# Altium PCB as14120_all_1.PcbDoc (part 1 of 2) (continued)
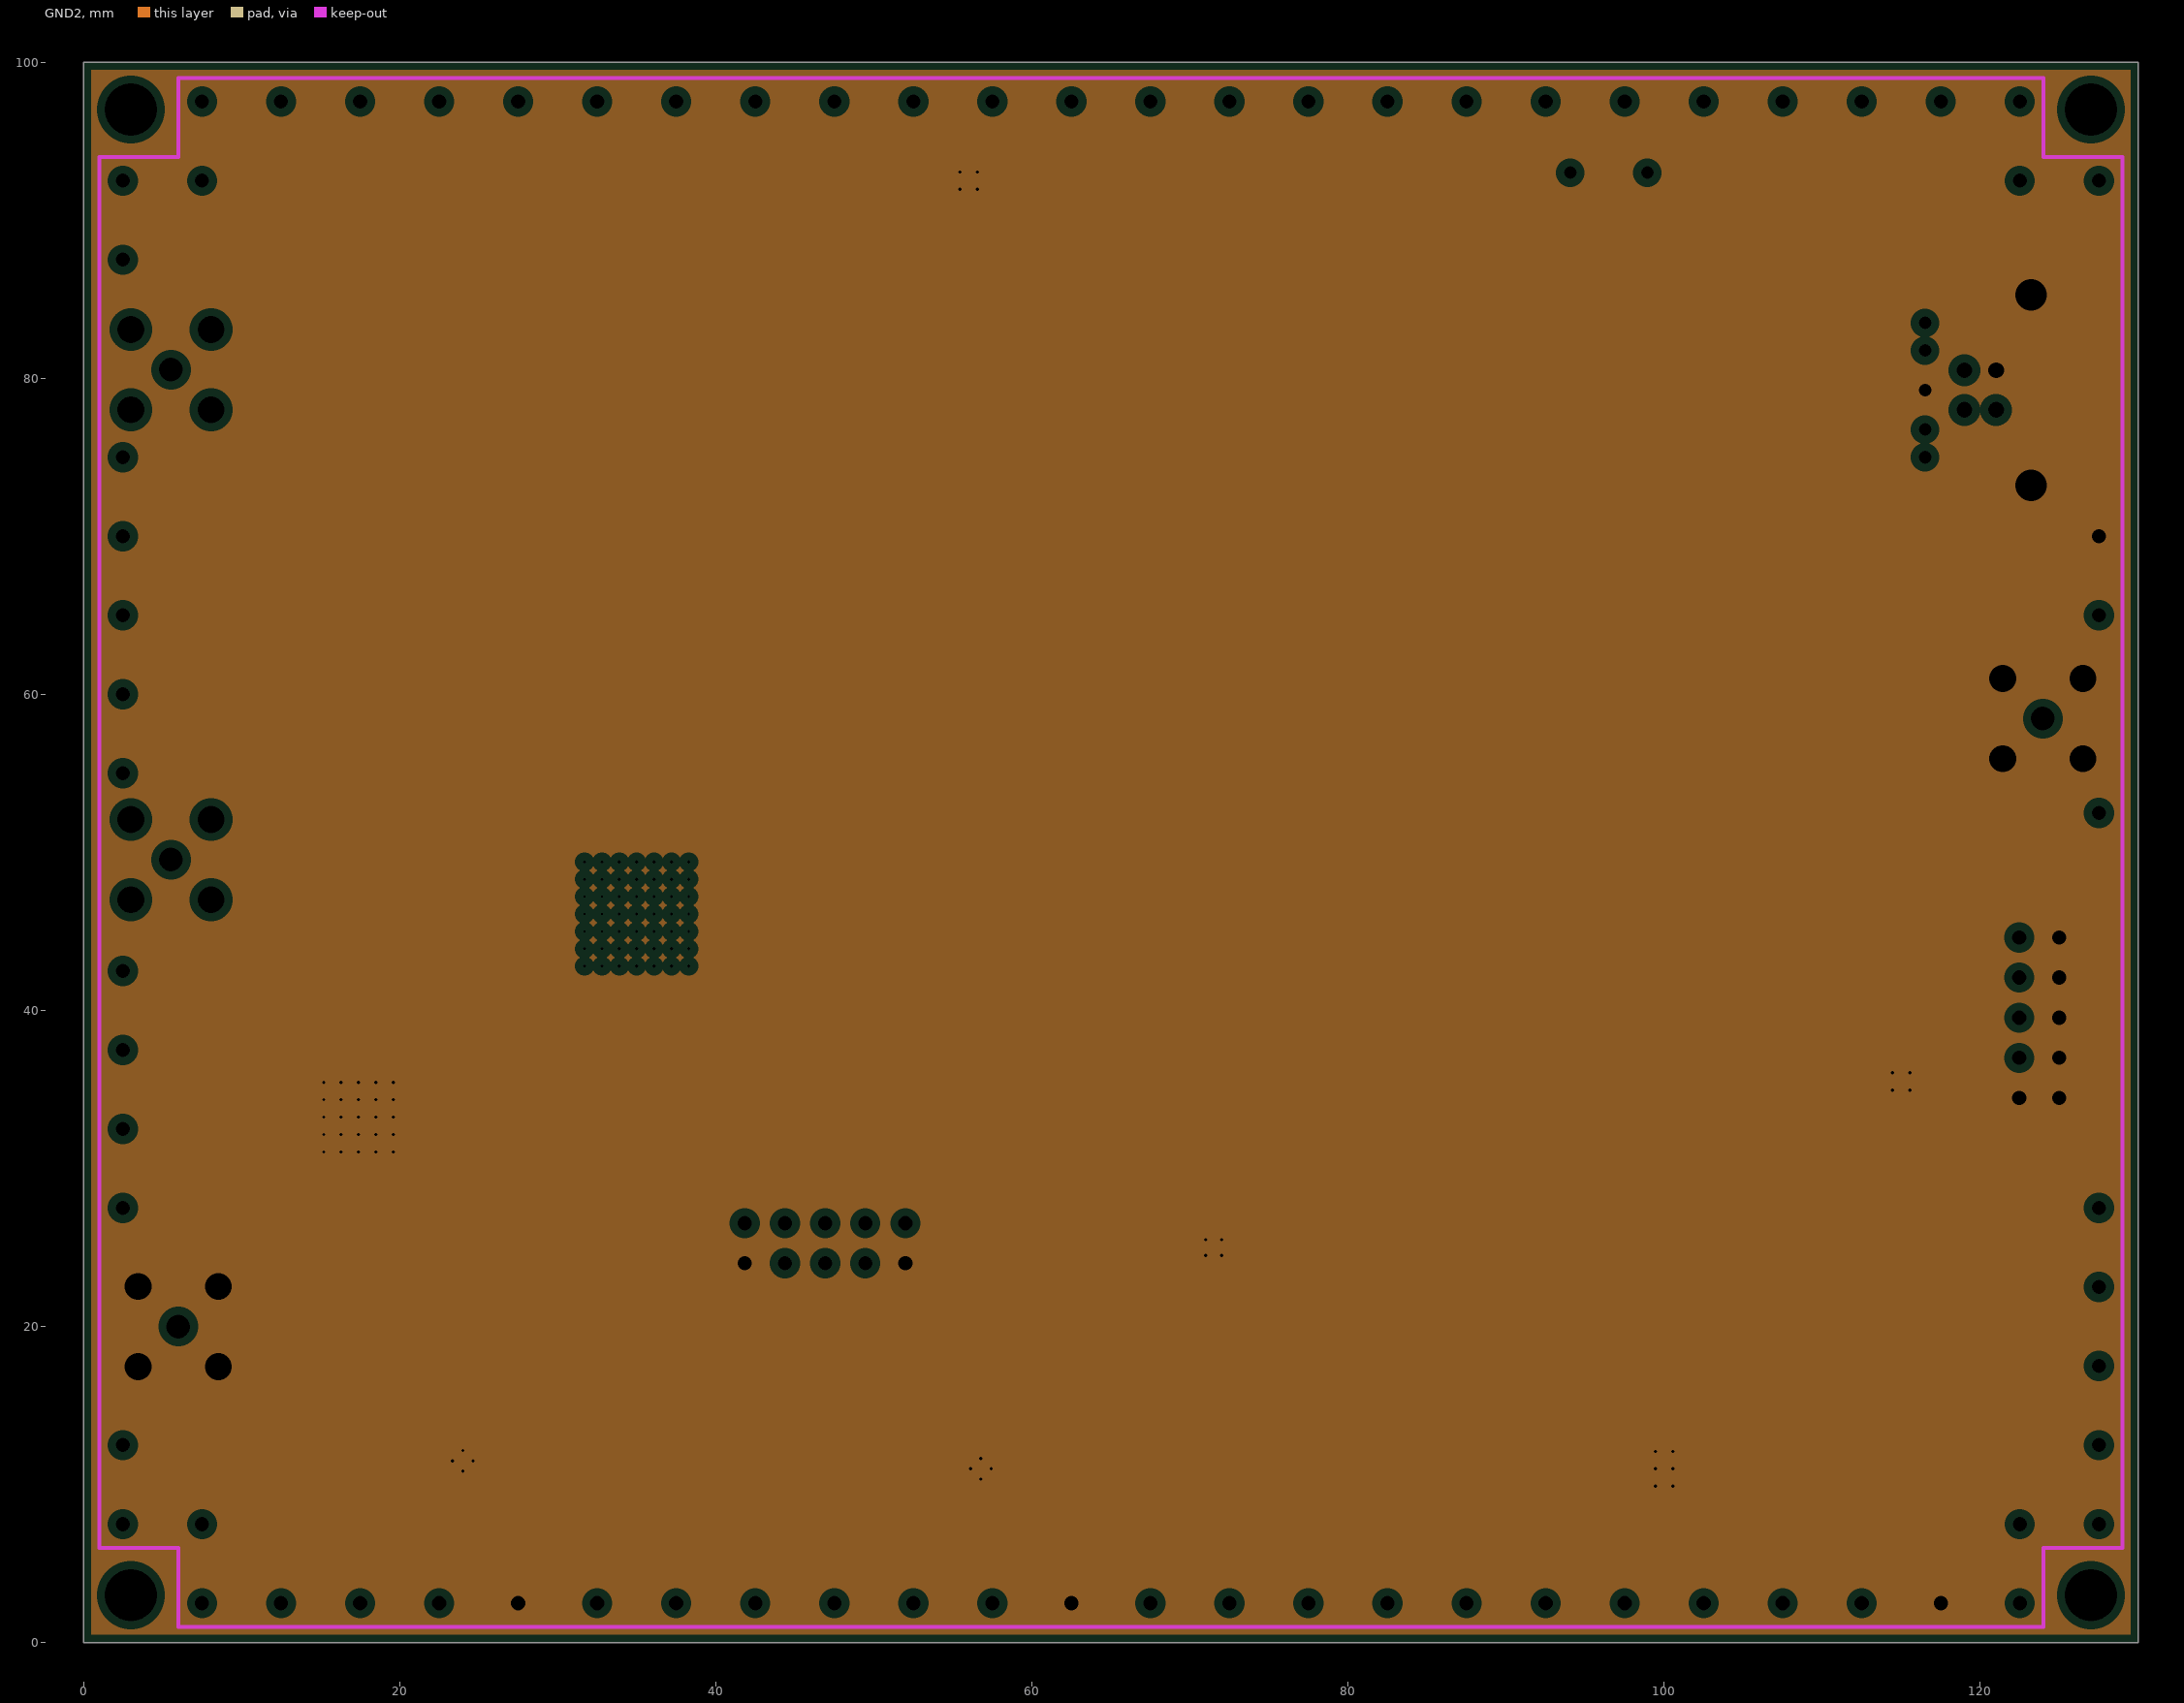
[diagram p3: GND2, clearances drawn from the general rule]

## Layer stack, top to bottom
Top Layer: signal copper 0.0356
Dielectric: prepreg 0.1, FR-4, Dk 4.8
GND1: plane copper 0.035, net 0V
Dielectric: core 0.2, FR-4, Dk 4.8
Signal_Power: signal copper 0.0356
Dielectric: prepreg 0.15, FR-4, Dk 4.8
Signal_midle: signal copper 0.0356
Dielectric: core 0.2, FR-4, Dk 4.4
GND2: plane copper 0.0356, net 0V
Dielectric: prepreg 0.1, FR-4, Dk 4.8
Bottom Layer: signal copper 0.0356

## Board outline
0,0 0,100 130,100 130,0

## Design rules (kind name [scope] priority, off if disabled: settings)
Clearance [InComponentClass('BGA')] p1: gap=0.1
Clearance Clearance_all [All] p2: gap=0.1
Clearance Clearance_0p1 [HasFootprint('ALTR-672-FBGA-2000A') vs (InComponentClass('All Components'))] p3: gap=0.1
DiffPairsRouting DiffPair_DiffPairsRouting [InDifferentialPair ('SS_TX')] p1: maxlimit=0.254 minlimit=0.254 mostfreqgap=0.254 maxuncoupledlength=12.7
DiffPairsRouting [All] p2: maxlimit=0.254 minlimit=0.254 mostfreqgap=0.254 maxuncoupledlength=12.7
FanoutControl Fanout_BGA [(InComponentClass('BGA'))] p1: bgadir=Out bgaviamode=Centered fanoutstyle=BGA fanoutdirection=Alternating viagrid=0.025 // Fanout_BGA (Default Rule)
FanoutControl Fanout_LCC [IsLCC] p2: bgadir=Out bgaviamode=Centered fanoutstyle=Auto fanoutdirection=OutOnly viagrid=0.025 // Fanout_LCC (Default Rule)
FanoutControl Fanout_Small [(CompPinCount < 5)] p4: bgadir=Out bgaviamode=Centered fanoutstyle=Auto fanoutdirection=OutOnly viagrid=0.025 // Fanout_Small (Default Rule)
HoleToHoleClearance [All] p1: gap=0.127 allowstackedmicrovias=TRUE
MatchedLengths DiffPair_MatchedLengths [InDifferentialPair ('SS_TX')] p1: tolerance=0.5 checknetsindiffpair=TRUE checkdiffpairvsdiffpair=TRUE checkothers=TRUE
MinimumAnnularRing [All] p1: minimumring=0.15
MinimumSolderMaskSliver [All] p1: minsoldermaskwidth=0.1
PlaneClearance [All] p1: clearance=0.508
PlaneConnect [All] p1: planeconnectstyle=Relief reliefexpansion=0.508 reliefentries=4 reliefconductorwidth=0.254 reliefairgap=0.254
PolygonConnect [All] p1: connectstyle=Relief reliefconductorwidth=0.254 reliefentries=4 polygonreliefangle="90 Angle" airgapwidth=0.254
RoomDefinition as14120_fpga_ttl [InComponentClass('as14120_fpga_ttl')] p1: confinementstyle=ConfineIn formatcopy=TRUE lockcomponents=FALSE outline -47,-45 3.8,-45 3.8,-19.6 -47,-19.6
RoomDefinition as14120_usb [InComponentClass('as14120_usb')] p2: confinementstyle=ConfineOut formatcopy=TRUE lockcomponents=FALSE outline 131,131 564,131 564,154 131,154
RoomDefinition as14120_fpga_power_conf [InComponentClass('as14120_fpga_power_conf')] p3: confinementstyle=ConfineOut formatcopy=TRUE lockcomponents=FALSE outline 131,50 760,50 760,75 131,75
RoomDefinition as14120_fpga_ddr [InComponentClass('as14120_fpga_ddr')] p4: confinementstyle=ConfineIn formatcopy=TRUE lockcomponents=FALSE outline 131,44 136,44 136,49 131,49
RoomDefinition as14120_ddr [InComponentClass('as14120_ddr')] p5: confinementstyle=ConfineOut formatcopy=TRUE lockcomponents=FALSE outline 130,109 568,109 568,128 130,128
RoutingVias [All] p1: holewidth=0.2 width=0.55 viastyle="Through Hole" minholewidth=0.15 minwidth=0.45 maxholewidth=0.25 maxwidth=0.5
SilkToSilkClearance [All] p1: silktosilkclearance=0.1
SilkToSolderMaskClearance [IsPad] p1: minsilkscreentomaskgap=0.2 clearancetoexposedcopper=TRUE
SolderMaskExpansion SolderMaskExpansion_bga [InComponentClass('bga')] p1: expansion=0
SolderMaskExpansion SolderMaskExpansion_via [IsVia] p2: expansion=-1
SolderMaskExpansion [All] p3: expansion=0.07
UnConnectedPin [All] p1:
Width DiffPair_Width [InDifferentialPair('SS_TX')] p1: maxlimit=0.1 minlimit=0.1 preferedwidth=0.1
Width [All] p2: maxlimit=0.2 minlimit=0.13 preferedwidth=0.15
Width Width_bga [InComponentClass('bga')] p3: maxlimit=0.2 minlimit=0.15 preferedwidth=0.2
18 further rules are at their usual default settings.

## Classes and differential pairs
component class as14120_fpga_ttl: D5 D10 R65 R66 R67 R68 R69 R70 X5
component class as14120_fpga_power_conf: C120 C121 C122 C123 C124 C125 C126 C127 C128 C129 C130 C131 C132 C133 C134 C135 C136 C137 C138 C139 C140 C141 C142 C143 C144 C145 C146 C147 C148 C149 C150 C151 C152 C153 C154 C155 C156 C157 C158 C159 C160 C161 C162 C163 C164 C165 C166 C167 C168 C169 C170 C171 C172 C173 C174 C175 C176 C177 C178 C179 C180 C181 C182 C183 C184 C185 C186 C187 C188 C189 C190 C191 C192 C193 C194 C195 C196 L10 L11 L12 L13 R72 R73 R74 R75 R76 R77 R78 R79 R80 X6
component class as14120_fpga_ddr: R71
component class as14120_power: C197 C198 C199 C200 C201 C202 C203 C204 C205 C206 C207 C208 C209 C210 C211 C212 C213 C214 C215 C216 C217 C218 C219 C220 C221 C222 C223 C224 C225 C226 C227 C228 C229 C230 C231 C232 D11 D12 D13 D14 L14 L15 L16 L17 R81 R82 R83 R84 R85 R86 R87 R88 R89 R90 R91 R92 R93 R94 R95 R96 R97 VD2 X7
component class as14120_ddr: C68 C69 C70 C71 C72 C73 C74 C75 C76 C77 C78 C79 C80 C81 C82 C83 C84 C85 C86 C87 C88 C89 C90 C91 C92 C93 C94 C95 C96 C97 C98 C99 C100 C101 C102 C103 C104 C105 C106 C107 C108 C109 C110 C111 C112 C113 C114 C115 C116 C117 C118 C119 D7 D8 D9 L8 L9 R52 R53 R54 R55 R56 R57 R58 R59 R60 R61 R62 R63 R64
component class as14120_adc: C37 C38 C39 C40 C41 C42 C43 C44 C45 C46 C47 C48 C49 C50 C51 C52 C53 C54 C55 C56 C57 C58 C59 C60 C61 C62 C63 C64 C65 C66 C67 D4 D6 L4 L5 L6 L7 R31 R32 R33 R34 R35 R36 R37 R38 R39 R40 R41 R42 R43 R44 R45 R46 R47 R48 R49 R50 R51 T1 T2 VD1 VG2 X2 X3 X4
component class as14120_usb: C1 C2 C3 C4 C5 C6 C7 C8 C9 C10 C11 C13 C14 C15 C16 C17 C18 C19 C20 C21 C22 C23 C24 C25 C26 C27 C28 C29 C30 C31 C32 C33 C34 C35 C36 D1 D2 D3 L1 L2 L3 R1 R2 R3 R4 R5 R6 R7 R8 R9 R10 R11 R12 R13 R14 R15 R16 R17 R18 R19 R20 R21 R22 R23 R24 R25 R26 R27 R28 R29 R30 VG1 X1 ZQ1 ZQ?
differential pair class super_speed: SS_RX
differential pair class usb2: USB

## Components (designator, comment, footprint, x,y, rotation, side; value= is the part's Value field where it differs from the comment)
C1 "CAP 1uF 10V 0402(1005)" CAPC0402(1005)60_M 116.5,89.5 r180 bottom
C2 "CAP 1uF 10V 0402(1005)" CAPC0402(1005)60_M 113.5,75 r0 top
C3 "CAP 1uF 10V 0402(1005)" CAPC0402(1005)60_M 113.5,76.5 r0 top
C4 "CAP_0805" CAPC0805(2012)100_N 101,93.5 r270 bottom
C5 "CAP_0805" CAPC0805(2012)100_N 92,93.5 r270 bottom
C6 "CAP_0805" CAPC0805(2012)100_N 219,142.5 r0 top
C7 "CAP_0805" CAPC0805(2012)100_N 105.5,105 r0 top
C8 "CAP 1uF 10V 0402(1005)" CAPC0402(1005)60_M 105.5,85 r270 top
C9 "CAP 1uF 10V 0402(1005)" CAPC0402(1005)60_M 105.5,103.5 r0 top
C10 "CAP_0805" CAPC0805(2012)100_N 99,105 r0 top
C11 "CAP 1uF 10V 0402(1005)" CAPC0402(1005)60_M 99,103.5 r0 top
C12 "CAP_0805" CAPC0805(2012)100_N 92.4,105.5 r0 top
C13 "CAP 1uF 10V 0402(1005)" CAPC0402(1005)60_M 220,150 r0 top
C14 "CAP 1uF 10V 0402(1005)" CAPC0402(1005)60_M 226,150 r0 top
C15 "CAP 1uF 10V 0402(1005)" CAPC0402(1005)60_M 231,150 r0 top
C16 "CAP 1uF 10V 0402(1005)" CAPC0402(1005)60_M 237,150 r0 top
C17 "CAP 1uF 10V 0402(1005)" CAPC0402(1005)60_M 243,150 r0 top
C18 "CAP 1uF 10V 0402(1005)" CAPC0402(1005)60_M 248,150 r0 top
C19 "CAP 1uF 10V 0402(1005)" CAPC0402(1005)60_M 254,150 r0 top
C20 "CAP 1uF 10V 0402(1005)" CAPC0402(1005)60_M 259,149 r90 top
C21 "CAP 1uF 10V 0402(1005)" CAPC0402(1005)60_M 265,150 r0 top
C22 "CAP 1uF 10V 0402(1005)" CAPC0402(1005)60_M 270,149 r90 top
C23 "CAP 1uF 10V 0402(1005)" CAPC0402(1005)60_M 92.5,104 r0 top
C24 "CAP 1uF 10V 0402(1005)" CAPC0402(1005)60_M 133,149 r90 top
C25 "CAP 1uF 10V 0402(1005)" CAPC0402(1005)60_M 139,149 r90 top
C26 "CAP 1uF 10V 0402(1005)" CAPC0402(1005)60_M 144,149 r90 top
C27 "CAP 1uF 10V 0402(1005)" CAPC0402(1005)60_M 150,149 r90 top
C28 "CAP 1uF 10V 0402(1005)" CAPC0402(1005)60_M 156,149 r90 top
C29 "CAP 1uF 10V 0402(1005)" CAPC0402(1005)60_M 162,149 r90 top
C30 "CAP 1uF 10V 0402(1005)" CAPC0402(1005)60_M 168,149 r90 top
C31 "CAP 1uF 10V 0402(1005)" CAPC0402(1005)60_M 174,150 r0 top
C32 "CAP 1uF 10V 0402(1005)" CAPC0402(1005)60_M 179,149 r90 top
C33 "CAP 1uF 10V 0402(1005)" CAPC0402(1005)60_M 185,149 r90 top
C34 "CAP 1uF 10V 0402(1005)" CAPC0402(1005)60_M 191,149 r90 top
C35 "CAP 1uF 10V 0402(1005)" CAPC0402(1005)60_M 196,149 r90 top
C36 "CAP 1uF 10V 0402(1005)" CAPC0402(1005)60_M 202,149 r90 top
C37 "CAP 1uF 10V 0402(1005)" CAPC0402(1005)60_M 5.5,86 r270 bottom
C38 "CAP_0805" CAPC0805(2012)100_N 21.6,73.5 r0 top
C39 "CAP_0805" CAPC0805(2012)100_N 22,79.5 r0 top
C40 "CAP 1uF 10V 0402(1005)" CAPC0402(1005)60_M 18,66.5 r90 bottom
C41 "CAP 1uF 10V 0402(1005)" CAPC0402(1005)60_M 25.55,46.85 r270 top
C42 "CAP 1uF 10V 0402(1005)" CAPC0402(1005)60_M 26.55,46.85 r270 top
C43 "CAP 1uF 10V 0402(1005)" CAPC0402(1005)60_M 30.05,39.35 r90 top
C44 "CAP 1uF 10V 0402(1005)" CAPC0402(1005)60_M 31.05,39.35 r90 top
C45 "CAP 1uF 10V 0402(1005)" CAPC0402(1005)60_M 10,50 r90 top
C46 "CAP_0805" CAPC0805(2012)100_N 16,63.5 r180 top
C47 "CAP_0805" CAPC0805(2012)100_N 16,58.5 r180 top
C48 "CAP 1uF 10V 0402(1005)" CAPC0402(1005)60_M 38.55,41.35 r90 bottom
C49 "CAP 1uF 10V 0402(1005)" CAPC0402(1005)60_M 37.05,50.35 r90 bottom
C50 "CAP 1uF 10V 0402(1005)" CAPC0402(1005)60_M 34.55,50.35 r90 bottom
C51 "CAP 1uF 10V 0402(1005)" CAPC0402(1005)60_M 35.05,41.45 r90 bottom
C52 "CAP 1uF 10V 0402(1005)" CAPC0402(1005)60_M 30.55,43.85 r180 bottom
C53 "CAP 1uF 10V 0402(1005)" CAPC0402(1005)60_M 30.35,48.15 r180 bottom
C54 "CAP 1uF 10V 0402(1005)" CAPC0402(1005)60_M 30.55,42.85 r180 bottom
C55 "CAP 1uF 10V 0402(1005)" CAPC0402(1005)60_M 16,78 r180 bottom
C56 "CAP 1uF 10V 0402(1005)" CAPC0402(1005)60_M 12,31 r0 top
C57 "CAP 1uF 10V 0402(1005)" CAPC0402(1005)60_M 21,31 r180 bottom
C58 "CAP 1uF 10V 0402(1005)" CAPC0402(1005)60_M 21,33.5 r180 bottom
C59 "CAP 1uF 10V 0402(1005)" CAPC0402(1005)60_M 21,35.5 r180 bottom
C60 "CAP 1uF 10V 0402(1005)" CAPC0402(1005)60_M 17.5,36.5 r90 bottom
C61 "CAP 1uF 10V 0402(1005)" CAPC0402(1005)60_M 14,36 r180 bottom
C62 "CAP 1uF 10V 0402(1005)" CAPC0402(1005)60_M 14,35 r180 bottom
C63 "CAP 1uF 10V 0402(1005)" CAPC0402(1005)60_M 12,30 r0 top
C64 "CAP 1uF 10V 0402(1005)" CAPC0402(1005)60_M 12,32 r0 top
C65 "CAP_0805" CAPC0805(2012)100_N 8,33.5 r0 top
C66 "CAP_0805" CAPC0805(2012)100_N 8,35.5 r0 top
C67 "CAP 1uF 10V 0402(1005)" CAPC0402(1005)60_M 6,22.5 r90 bottom
C68 "CAP 1uF 10V 0402(1005)" CAPC0402(1005)60_M 247,18 r90 top
C69 "CAP 1uF 10V 0402(1005)" CAPC0402(1005)60_M 253,18 r90 top
C70 "CAP 1uF 10V 0402(1005)" CAPC0402(1005)60_M 258,18 r90 top
C71 "CAP 1uF 10V 0402(1005)" CAPC0402(1005)60_M 265,19 r0 top
C72 "CAP 1uF 10V 0402(1005)" CAPC0402(1005)60_M 241,18 r90 top
C73 "CAP 1uF 10V 0402(1005)" CAPC0402(1005)60_M 229,18 r90 top
C74 "CAP 1uF 10V 0402(1005)" CAPC0402(1005)60_M 183,18 r90 top
C75 "CAP 1uF 10V 0402(1005)" CAPC0402(1005)60_M 189,18 r90 top
C76 "CAP 1uF 10V 0402(1005)" CAPC0402(1005)60_M 195,18 r90 top
C77 "CAP 1uF 10V 0402(1005)" CAPC0402(1005)60_M 201,18 r90 top
C78 "CAP 1uF 10V 0402(1005)" CAPC0402(1005)60_M 206,18 r90 top
C79 "CAP 1uF 10V 0402(1005)" CAPC0402(1005)60_M 212,18 r90 top
C80 "CAP 1uF 10V 0402(1005)" CAPC0402(1005)60_M 218,18 r90 top
C81 "CAP 1uF 10V 0402(1005)" CAPC0402(1005)60_M 224,19 r0 top
C82 "CAP 1uF 10V 0402(1005)" CAPC0402(1005)60_M 136,18 r90 top
C83 "CAP 1uF 10V 0402(1005)" CAPC0402(1005)60_M 142,18 r90 top
C84 "CAP 1uF 10V 0402(1005)" CAPC0402(1005)60_M 148,18 r90 top
C85 "CAP 1uF 10V 0402(1005)" CAPC0402(1005)60_M 154,18 r90 top
C86 "CAP 1uF 10V 0402(1005)" CAPC0402(1005)60_M 160,18 r90 top
C87 "CAP 1uF 10V 0402(1005)" CAPC0402(1005)60_M 166,18 r90 top
C88 "CAP 1uF 10V 0402(1005)" CAPC0402(1005)60_M 171,18 r90 top
C89 "CAP 1uF 10V 0402(1005)" CAPC0402(1005)60_M 177,18 r90 top
C90 "CAP 1uF 10V 0402(1005)" CAPC0402(1005)60_M 236.5,29.5 r90 top
C91 "CAP 1uF 10V 0402(1005)" CAPC0402(1005)60_M 190.5,30.5 r0 top
C92 "CAP 1uF 10V 0402(1005)" CAPC0402(1005)60_M 195.5,29.5 r90 top
C93 "CAP 1uF 10V 0402(1005)" CAPC0402(1005)60_M 201.5,29.5 r90 top
C94 "CAP 1uF 10V 0402(1005)" CAPC0402(1005)60_M 206.5,29.5 r90 top
C95 "CAP 1uF 10V 0402(1005)" CAPC0402(1005)60_M 212.5,29.5 r90 top
C96 "CAP 1uF 10V 0402(1005)" CAPC0402(1005)60_M 218.5,29.5 r90 top
C97 "CAP 1uF 10V 0402(1005)" CAPC0402(1005)60_M 224.5,29.5 r90 top
C98 "CAP 1uF 10V 0402(1005)" CAPC0402(1005)60_M 230.5,29.5 r90 top
C99 "CAP 1uF 10V 0402(1005)" CAPC0402(1005)60_M 134.5,29.5 r90 top
C100 "CAP 1uF 10V 0402(1005)" CAPC0402(1005)60_M 140.5,29.5 r90 top
C101 "CAP 1uF 10V 0402(1005)" CAPC0402(1005)60_M 147.5,29.5 r90 top
C102 "CAP 1uF 10V 0402(1005)" CAPC0402(1005)60_M 154.5,29.5 r90 top
C103 "CAP 1uF 10V 0402(1005)" CAPC0402(1005)60_M 161.5,29.5 r90 top
C104 "CAP 1uF 10V 0402(1005)" CAPC0402(1005)60_M 168.5,29.5 r90 top
C105 "CAP 1uF 10V 0402(1005)" CAPC0402(1005)60_M 175.5,29.5 r90 top
C106 "CAP 1uF 10V 0402(1005)" CAPC0402(1005)60_M 182.5,29.5 r90 top
C107 "CAP 1uF 10V 0402(1005)" CAPC0402(1005)60_M 271,38 r90 top
C108 "CAP 1uF 10V 0402(1005)" CAPC0402(1005)60_M 264,38 r90 top
C109 "CAP 1uF 10V 0402(1005)" CAPC0402(1005)60_M 251,38 r90 top
C110 "CAP 1uF 10V 0402(1005)" CAPC0402(1005)60_M 233,38 r90 top
C111 "CAP 1uF 10V 0402(1005)" CAPC0402(1005)60_M 240,38 r90 top
C112 "CAP_0805" CAPC0805(2012)100_N 63.5,24.5 r90 top
C113 "CAP_0805" CAPC0805(2012)100_N 65.5,24.5 r90 top
C114 "CAP_0805" CAPC0805(2012)100_N 67.5,24.5 r90 top
C115 "CAP_0805" CAPC0805(2012)100_N 76,24 r180 top
C116 "CAP_0805" CAPC0805(2012)100_N 76,22 r180 top
C117 "CAP_0805" CAPC0805(2012)100_N 61.5,25 r90 top
C118 "CAP_0805" CAPC0805(2012)100_N 76,26 r180 top
C119 "CAP_0805" CAPC0805(2012)100_N 76,28 r180 top
C120 "CAP 1uF 10V 0402(1005)" CAPC0402(1005)60_M 643,70 r90 top
C121 "CAP 1uF 10V 0402(1005)" CAPC0402(1005)60_M 650,70 r90 top
C122 "CAP 1uF 10V 0402(1005)" CAPC0402(1005)60_M 656,70 r90 top
C123 "CAP 1uF 10V 0402(1005)" CAPC0402(1005)60_M 663,70 r90 top
C124 "CAP 1uF 10V 0402(1005)" CAPC0402(1005)60_M 671,70 r90 top
C125 "CAP 1uF 10V 0402(1005)" CAPC0402(1005)60_M 678,70 r90 top
C126 "CAP 1uF 10V 0402(1005)" CAPC0402(1005)60_M 685,70 r90 top
C127 "CAP 1uF 10V 0402(1005)" CAPC0402(1005)60_M 692,70 r90 top
C128 "CAP 1uF 10V 0402(1005)" CAPC0402(1005)60_M 699,70 r90 top
C129 "CAP 1uF 10V 0402(1005)" CAPC0402(1005)60_M 706,70 r90 top
C130 "CAP 1uF 10V 0402(1005)" CAPC0402(1005)60_M 713,70 r90 top
C131 "CAP 1uF 10V 0402(1005)" CAPC0402(1005)60_M 720,70 r90 top
C132 "CAP 1uF 10V 0402(1005)" CAPC0402(1005)60_M 564,70 r90 top
C133 "CAP 1uF 10V 0402(1005)" CAPC0402(1005)60_M 571,70 r90 top
C134 "CAP 1uF 10V 0402(1005)" CAPC0402(1005)60_M 578,70 r90 top
C135 "CAP 1uF 10V 0402(1005)" CAPC0402(1005)60_M 585,70 r90 top
C136 "CAP 1uF 10V 0402(1005)" CAPC0402(1005)60_M 592,70 r90 top
C137 "CAP 1uF 10V 0402(1005)" CAPC0402(1005)60_M 599,70 r90 top
C138 "CAP 1uF 10V 0402(1005)" CAPC0402(1005)60_M 607,70 r90 top
C139 "CAP 1uF 10V 0402(1005)" CAPC0402(1005)60_M 529,70 r90 top
C140 "CAP 1uF 10V 0402(1005)" CAPC0402(1005)60_M 536,70 r90 top
C141 "CAP 1uF 10V 0402(1005)" CAPC0402(1005)60_M 543,70 r90 top
C142 "CAP 1uF 10V 0402(1005)" CAPC0402(1005)60_M 550,70 r90 top
C143 "CAP 1uF 10V 0402(1005)" CAPC0402(1005)60_M 557,70 r90 top
C144 "CAP 1uF 10V 0402(1005)" CAPC0402(1005)60_M 479,70 r90 top
C145 "CAP 1uF 10V 0402(1005)" CAPC0402(1005)60_M 486,70 r90 top
C146 "CAP 1uF 10V 0402(1005)" CAPC0402(1005)60_M 493,70 r90 top
C147 "CAP 1uF 10V 0402(1005)" CAPC0402(1005)60_M 500,70 r90 top
C148 "CAP 1uF 10V 0402(1005)" CAPC0402(1005)60_M 508,70 r90 top
C149 "CAP 1uF 10V 0402(1005)" CAPC0402(1005)60_M 515,70 r90 top
C150 "CAP 1uF 10V 0402(1005)" CAPC0402(1005)60_M 522,70 r90 top
C151 "CAP 1uF 10V 0402(1005)" CAPC0402(1005)60_M 460,70 r90 top
C152 "CAP 1uF 10V 0402(1005)" CAPC0402(1005)60_M 466,70 r90 top
C153 "CAP 1uF 10V 0402(1005)" CAPC0402(1005)60_M 431,70 r90 top
C154 "CAP 1uF 10V 0402(1005)" CAPC0402(1005)60_M 438,70 r90 top
C155 "CAP 1uF 10V 0402(1005)" CAPC0402(1005)60_M 446,70 r90 top
C156 "CAP 1uF 10V 0402(1005)" CAPC0402(1005)60_M 453,70 r90 top
C157 "CAP 1uF 10V 0402(1005)" CAPC0402(1005)60_M 387,70 r90 top
C158 "CAP 1uF 10V 0402(1005)" CAPC0402(1005)60_M 394,70 r90 top
C159 "CAP 1uF 10V 0402(1005)" CAPC0402(1005)60_M 401,70 r90 top
C160 "CAP 1uF 10V 0402(1005)" CAPC0402(1005)60_M 408,70 r90 top
C161 "CAP 1uF 10V 0402(1005)" CAPC0402(1005)60_M 359,70 r90 top
C162 "CAP 1uF 10V 0402(1005)" CAPC0402(1005)60_M 365,70 r90 top
C163 "CAP 1uF 10V 0402(1005)" CAPC0402(1005)60_M 372,70 r90 top
C164 "CAP 1uF 10V 0402(1005)" CAPC0402(1005)60_M 380,70 r90 top
C165 "CAP 1uF 10V 0402(1005)" CAPC0402(1005)60_M 344,70 r90 top
C166 "CAP 1uF 10V 0402(1005)" CAPC0402(1005)60_M 352,70 r90 top
C167 "CAP 1uF 10V 0402(1005)" CAPC0402(1005)60_M 330,70 r90 top
C168 "CAP 1uF 10V 0402(1005)" CAPC0402(1005)60_M 337,70 r90 top
C169 "CAP 1uF 10V 0402(1005)" CAPC0402(1005)60_M 281,70 r90 top
C170 "CAP 1uF 10V 0402(1005)" CAPC0402(1005)60_M 288,70 r90 top
C171 "CAP 1uF 10V 0402(1005)" CAPC0402(1005)60_M 295,70 r90 top
C172 "CAP 1uF 10V 0402(1005)" CAPC0402(1005)60_M 302,70 r90 top
C173 "CAP 1uF 10V 0402(1005)" CAPC0402(1005)60_M 309,70 r90 top
C174 "CAP 1uF 10V 0402(1005)" CAPC0402(1005)60_M 316,70 r90 top
C175 "CAP 1uF 10V 0402(1005)" CAPC0402(1005)60_M 323,70 r90 top
C176 "CAP 1uF 10V 0402(1005)" CAPC0402(1005)60_M 267,70 r90 top
C177 "CAP 1uF 10V 0402(1005)" CAPC0402(1005)60_M 274,70 r90 top
C178 "CAP 1uF 10V 0402(1005)" CAPC0402(1005)60_M 218,70 r90 top
C179 "CAP 1uF 10V 0402(1005)" CAPC0402(1005)60_M 225,70 r90 top
C180 "CAP 1uF 10V 0402(1005)" CAPC0402(1005)60_M 232,70 r90 top
C181 "CAP 1uF 10V 0402(1005)" CAPC0402(1005)60_M 239,70 r90 top
C182 "CAP 1uF 10V 0402(1005)" CAPC0402(1005)60_M 245,70 r90 top
C183 "CAP 1uF 10V 0402(1005)" CAPC0402(1005)60_M 253,70 r90 top
C184 "CAP 1uF 10V 0402(1005)" CAPC0402(1005)60_M 260,70 r90 top
C185 "CAP 1uF 10V 0402(1005)" CAPC0402(1005)60_M 189,70 r90 top
C186 "CAP 1uF 10V 0402(1005)" CAPC0402(1005)60_M 196,70 r90 top
C187 "CAP 1uF 10V 0402(1005)" CAPC0402(1005)60_M 203,70 r90 top
C188 "CAP 1uF 10V 0402(1005)" CAPC0402(1005)60_M 210,70 r90 top
C189 "CAP 1uF 10V 0402(1005)" CAPC0402(1005)60_M 161,70 r90 top
C190 "CAP 1uF 10V 0402(1005)" CAPC0402(1005)60_M 168,70 r90 top
C191 "CAP 1uF 10V 0402(1005)" CAPC0402(1005)60_M 175,70 r90 top
C192 "CAP 1uF 10V 0402(1005)" CAPC0402(1005)60_M 182,70 r90 top
C193 "CAP 1uF 10V 0402(1005)" CAPC0402(1005)60_M 133,70 r90 top
C194 "CAP 1uF 10V 0402(1005)" CAPC0402(1005)60_M 140,70 r90 top
C195 "CAP 1uF 10V 0402(1005)" CAPC0402(1005)60_M 147,70 r90 top
C196 "CAP 1uF 10V 0402(1005)" CAPC0402(1005)60_M 154,70 r90 top
C197 "AVX_B" AVX_B 52.5,18.54 r270 top
C198 "AVX_B" AVX_B 54.96,18 r0 top
C199 "AVX_D" AVX_D 117,13 r0 top
C200 "CAP_0805" CAPC0805(2012)100_N 27.5,17 r270 top
C201 "CAP_0805" CAPC0805(2012)100_N 102,16 r180 top
C202 "CAP_0805" CAPC0805(2012)100_N 98.1,16 r0 top
C203 "CAP_0805" CAPC0805(2012)100_N 112.5,8.5 r90 top
C204 "CAP_0805" CAPC0805(2012)100_N 114.5,8.5 r90 top
C205 "CAP_0805" CAPC0805(2012)100_N 25.5,15.5 r90 top
C206 "AVX_D" AVX_D 117.38,19 r0 top
C207 "AVX_B" AVX_B 49.23,14 r180 top
C208 "AVX_B" AVX_B 49.23,10.5 r180 top
C209 "AVX_B" AVX_B 49.04,17.5 r180 top
C210 "AVX_B" AVX_B 49.23,7 r180 top
C211 "CAP_0805" CAPC0805(2012)100_N 110,13 r180 top
C212 "CAP_0805" CAPC0805(2012)100_N 107,15 r180 top
C213 "CAP_0805" CAPC0805(2012)100_N 102,6 r180 top
C214 "CAP_0805" CAPC0805(2012)100_N 98.1,6 r0 top
C215 "CAP_0805" CAPC0805(2012)100_N 27.5,7 r90 top
C216 "CAP_0805" CAPC0805(2012)100_N 87.5,8 r90 top
C217 "CAP_0805" CAPC0805(2012)100_N 85.5,8 r270 top
C218 "CAP_0805" CAPC0805(2012)100_N 90.6,13 r0 top
C219 "CAP_0805" CAPC0805(2012)100_N 93.1,15 r0 top
C220 "CAP_0805" CAPC0805(2012)100_N 26.5,4.5 r180 top
C221 "AVX_B" AVX_B 20,16.04 r270 top
C222 "AVX_B" AVX_B 21.27,18.5 r0 top
C223 "CAP_0805" CAPC0805(2012)100_N 61,18 r90 top
C224 "CAP_0805" CAPC0805(2012)100_N 58.5,14.6 r90 top
C225 "CAP_0805" CAPC0805(2012)100_N 114,41 r180 top
C226 "CAP_0805" CAPC0805(2012)100_N 114,43 r180 top
C227 "AVX_B" AVX_B 82.54,13.5 r180 top
C228 "AVX_B" AVX_B 82.54,6.5 r180 top
C229 "AVX_B" AVX_B 82.54,17 r180 top
C230 "AVX_B" AVX_B 82.54,10 r180 top
C231 "CAP_0805" CAPC0805(2012)100_N 60.5,7 r90 top
C232 "CAP_0805" CAPC0805(2012)100_N 59.1,4.5 r180 top
D1 "CYUSB3014" BGA121C80P11X11 102,77 r270 top
D2 "AT24C64(soic)" 8S1_N 116.5,90.5 r0 top
D3 "ADP1741" CP-16-4_N 56,92.5 r0 top
D4 "AD9640ABCPZ-125" CP-64-6_N 35,46.1 r180 top
D5 "5CEFA7F27C8N" ALTR-672-FBGA-2000A 60.5,46.5 r90 top
D6 "AD9517-4ABCPZ" ADI-CP-48-8_L 17.4,33.25 r0 top
D7 "MT41J256M16HA-125" MICT-HA-96 100.7,38.6 r90 top
D8 "MT41J256M16HA-125" MICT-HA-96 100.5,51.4 r90 top
D9 "TPS51200DRCT" TI-DRC10-2400X1650TP_V 71.5,25 r0 top
D10 "SN65HVD78" 8S1_M 116.5,26 r0 top
D11 "LTC3615EFE#PBF" LT-FE-24-EPV-AA_N 100,11 r0 top
D12 "TPS54620RGYR" RGY14-2050X2050TP 24,11.5 r0 top
D13 "TPS54620RGYR" RGY14-2050X2050TP 56.775,11 r0 top
D14 "ADP1741" CP-16-4_N 115,35.5 r90 top
L1 "BLM21PG300SN1D" CAPC0805(2012)100_N 105.4,107 r0 top
L2 "BLM21PG300SN1D" CAPC0805(2012)100_N 99,107 r0 top
L3 "BLM21PG300SN1D" CAPC0805(2012)100_N 92.5,107.5 r0 top
L4 "BLM21PG300SN1D" CAPC0805(2012)100_N 20.5,54.5 r0 top
L5 "BLM21PG300SN1D" CAPC0805(2012)100_N 20.5,52.5 r0 top
L6 "BLM21PG300SN1D" CAPC0805(2012)100_N 11,28 r180 top